# Allegro board OPT8241-CDK-EVM SB REV2P0V1.brd (continued)
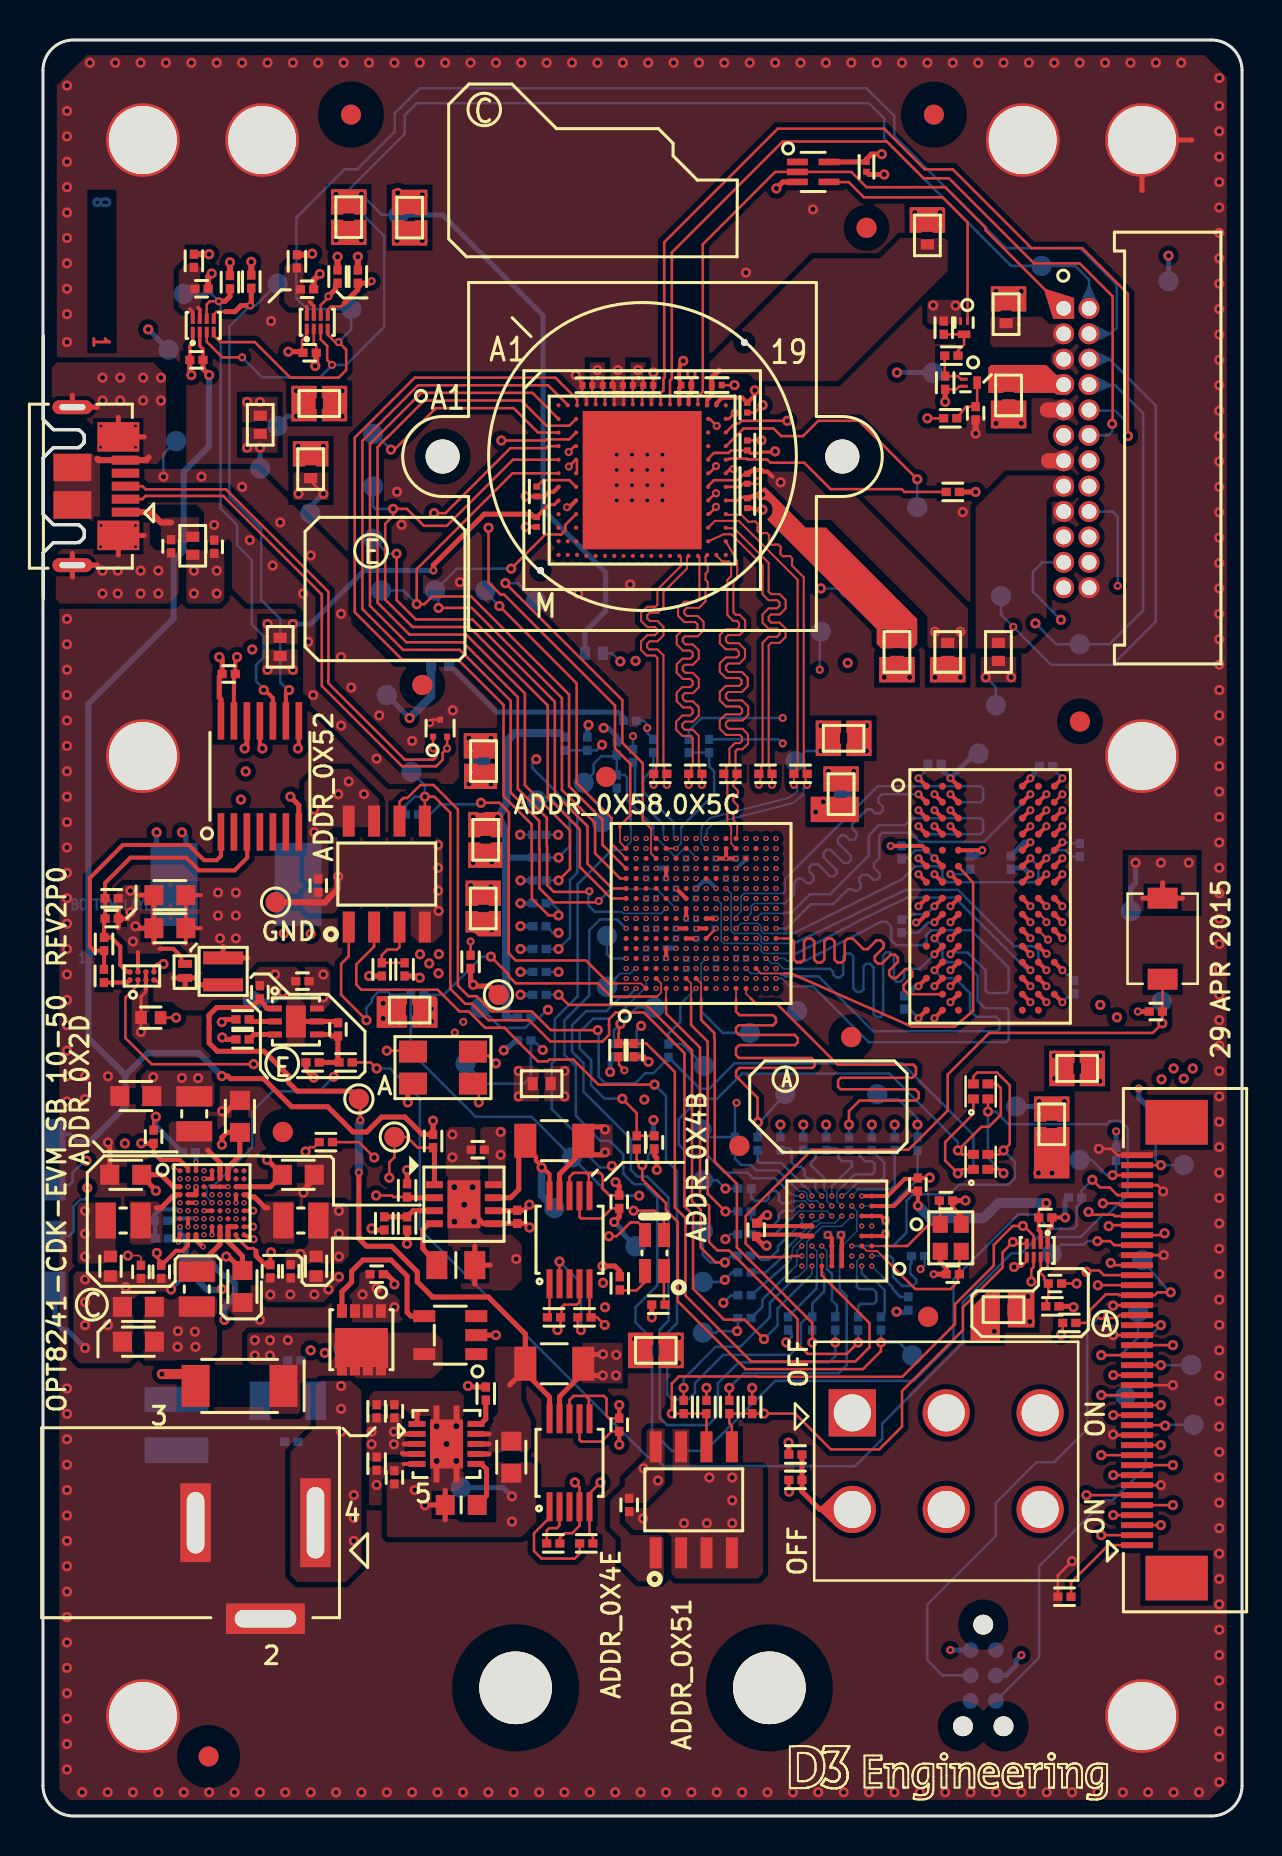
[diagram p0: board, top side]
## Routing (per net, layer and track width the routed paths; a pad name or vN(x,y) marks a point on that pad's centre or on a via; arc(x,y) is an arc through that point) (continued)
  SIG1 w0.082: 38.5,26.96 38.22,27.23 38.22,27.75 v3(37.97,28)
  SIG1 w0.114: 38.5,26.96 41.35,24.1 41.35,23.44 40.38,22.47 39.59,22.47 35.04,17.93 34.7,17.93 33.93,17.16 33.93,16.7 32.69,15.46 26.3,15.46 23.78,17.98 23.78,21.02 18.79,26.02 18.79,32.54 18.39,32.93 v1(16.58,32.93)
  BOTTOM w0.127: v1(56.01,39.64) 55.98,39.66 TP14.1
TFC_DQ_OUT_0: length 65.3
  TOP w0.127: J2.2 v1(52.95,14.05)
  SIG1 w0.114: v1(52.95,14.05) 52.95,16.17 52.39,16.74 52.39,19.68 53.82,21.11 53.94,21.11 54.53,21.7 54.53,25.08 54.77,25.31 54.77,30.24 54.46,30.55 54.46,33.29 54.07,33.67 53.44,33.67 52.68,34.43 47.28,34.43 47.05,34.66 45.96,35.75 45.17,35.75 45.04,35.62 45.04,35.48 44.9,35.35 44.71,35.35 44.58,35.48 44.58,35.62 44.45,35.75 44.26,35.75 44.12,35.62 44.12,35.48 43.99,35.35 43.8,35.35 43.67,35.48 43.67,35.62 43.53,35.75 43.24,35.75 43.1,35.62 43.1,35.36 42.97,35.22 42.78,35.22 42.64,35.36 42.64,35.62 42.51,35.75 42.24,35.75 42.04,35.55 42.04,34.08 42.15,33.96 42.5,33.96 42.62,34.08 v1(42.62,34.57)
  SIG2 w0.082: v3(36.18,41.38) 36.18,41.15 36.44,40.89
  SIG2 w0.114: 36.44,40.89 36.44,40.36 38.37,38.43 42.41,38.43 42.53,38.31 42.53,35.77 42.7,35.6 42.86,35.6 42.97,35.72 42.97,38.01 43.09,38.12 43.25,38.12 43.36,38.01 43.36,35.78 43.56,35.58 43.75,35.58 43.86,35.7 43.86,37.98 44.01,38.13 44.17,38.13 44.31,37.99 44.31,35.26 44.18,35.14 43.18,35.14 v1(42.62,34.57)
  BOTTOM w0.127: R74.1 v1(42.62,34.57)
TFC_DQ_OUT_1: length 64.6
  TOP w0.127: J2.3 v1(55.94,14.55)
  SIG1 w0.082: v3(35.68,41.38) 35.68,41.08 35.87,40.89
  SIG1 w0.114: 35.87,40.89 36.15,40.61 38.67,40.61 39.24,40.05 39.24,39.15 36.46,36.37 34.63,36.37 34.19,35.93 34.19,32.92 34.72,32.39 34.72,31.14 34.39,30.81 33.93,30.81 33.59,30.47 33.59,30 33.92,29.66 34.38,29.66 34.72,29.32 34.72,28.6 34.51,28.39 34.49,28.39 34.38,28.28 33.92,28.28 33.55,27.9 33.55,26.16 v1(34.05,25.66)
  SIG2 w0.114: v1(34.05,25.66) 33.89,25.66 33.78,25.55 33.78,22.86 34.25,22.39 35.55,22.39 40.57,17.36 41.57,17.36 42.57,16.36 42.57,11.51 42.99,11.09 55.21,11.09 55.94,11.82 55.94,12.06 55.81,12.19 55.39,12.19 55.25,12.33 55.25,12.52 55.39,12.65 55.81,12.65 55.94,12.79 55.94,12.97 55.81,13.11 55.39,13.11 55.25,13.24 55.25,13.43 55.39,13.57 55.81,13.57 55.94,13.7 v1(55.94,14.55)
  BOTTOM w0.127: v1(34.05,25.66) 34.06,25.66 34.44,26.04 R83.1
TFC_DQ_OUT_2: length 64.9
  TOP w0.127: J2.4 v1(53.56,15.05)
  SIG1 w0.114: v1(53.56,15.05) 53.91,14.7 53.91,13.92 53.46,13.48 52.46,13.48 51.65,14.28 51.65,24.61 54.03,26.99 54.03,29.72 53.68,30.08 53.68,30.89 53.34,31.23 52.3,31.23 50.81,32.72 47.7,32.72 46.15,34.26 44.35,34.26 43.42,33.33 40.5,33.33 40.41,33.43 40.41,33.85 40.5,33.94 41.36,33.94 41.48,34.06 v1(41.48,34.57)
  SIG2 w0.082: v3(35.68,41.88) 35.93,41.63 35.93,40.99 36,40.91 36,40.89
  SIG2 w0.114: v1(41.48,34.57) 41.96,35.06 41.96,35.49 41.82,35.62 41.7,35.62 41.57,35.75 41.57,35.94 41.7,36.08 41.82,36.08 41.96,36.21 41.96,36.4 41.82,36.54 41.7,36.54 41.57,36.67 41.57,36.86 41.7,36.99 41.82,36.99 41.96,37.13 41.96,37.87 41.84,37.98 41.17,37.98 41.06,37.87 41.06,35.39 40.94,35.27 40.77,35.27 40.6,35.45 40.6,37.75 40.42,37.93 40.26,37.93 40.14,37.81 40.14,35.39 40.03,35.27 39.86,35.27 39.68,35.45 39.68,37.75 39.45,37.98 39.26,37.98 39.12,37.85 39.12,37.52 38.97,37.37 38.79,37.37 38.67,37.49 38.67,37.85 38.53,37.98 38.14,37.98 36,40.12 36,40.89
  BOTTOM w0.127: R73.1 v1(41.48,34.57)
TFC_DQ_OUT_3: length 65
  TOP w0.082: 35.41,40.89 35.18,41.12 U8.N1
  TOP w0.127: 35.41,40.89 35.7,40.6 36.73,40.6 39.77,37.57 43.56,37.57 43.68,37.44 43.68,37.1 43.5,36.91 39.91,36.91 39.79,36.79 39.79,36.47 39.91,36.34 43.65,36.34 43.82,36.17 43.82,35.9 43.7,35.78 40.86,35.78 40.33,35.25 v1(40.33,34.57) ; J2.5 v1(56.54,15.55)
  SIG1 w0.114: v1(56.54,15.55) 54.24,15.55 52.99,16.79 52.99,17.28 53.32,17.61 54.32,17.61 54.54,17.83 54.54,21.11 54.97,21.54 54.97,24.99 55.14,25.16 55.14,30.58 54.82,30.89 54.82,33.87 53.89,34.8 48.54,34.8 47.22,36.12 42.02,36.12 v1(40.33,34.57)
  BOTTOM w0.127: R72.1 v1(40.33,34.57)
TFC_DQ_OUT_4: length 65.1
  TOP w0.127: J2.8 v1(53.56,17.05)
  SIG1 w0.114: v1(39.19,34.57) 39.19,33.37 39.3,33.25 39.65,33.25 39.77,33.37 39.77,35.15 41.1,36.49 47.65,36.49 48.97,35.17 54.05,35.17 55.34,33.88 55.34,31.11 55.52,30.93 55.52,29.28 55.52,29.28 55.52,27.81 55.52,27.81 55.52,25.02 55.34,24.84 55.34,21.26 54.91,20.83 54.91,17.35 54.61,17.05 v1(53.56,17.05)
  SIG2 w0.082: 34.98,40.89 34.98,41.06 34.93,41.12 34.93,41.63 34.94,41.64 v3(35.18,41.88)
  SIG2 w0.114: v1(39.19,34.57) 39.19,35.18 39.06,35.32 38.68,35.32 38.53,35.46 38.53,35.65 38.65,35.78 39.06,35.78 39.19,35.91 39.19,36.25 38.5,36.94 38.2,36.94 36.99,35.73 36.82,35.73 36.71,35.85 36.71,36.01 37.99,37.29 37.99,37.46 37.85,37.59 37.66,37.59 36.37,36.3 36.21,36.3 36.05,36.46 36.05,36.63 37.34,37.91 37.34,38.1 37.21,38.24 36.94,38.24 35.72,37.02 35.55,37.02 35.44,37.13 35.44,37.29 36.69,38.54 36.69,38.75 36.56,38.88 36.4,38.88 35.73,38.21 35.57,38.21 35.45,38.32 35.45,38.51 36.05,39.1 36.05,39.4 35.91,39.53 35.72,39.53 35.6,39.41 35.41,39.41 35.28,39.54 35.28,39.73 35.4,39.85 35.4,40.04 34.98,40.46 34.98,40.89
  BOTTOM w0.127: R71.1 v1(39.19,34.57)
TFC_DQ_OUT_5: length 65.1
  TOP w0.127: J2.9 v1(56.54,17.55)
  SIG1 w0.114: v1(38.05,34.57) 40.33,36.85 49.65,36.85 50.18,36.32 51.85,36.32 52.44,35.73 54.01,35.73 57.11,32.62 57.11,22.91 55.98,21.78 55.98,21.38 55.28,20.68 55.28,18.27 56,17.55 v1(56.54,17.55)
  SIG2 w0.082: v3(34.18,41.38) 34.18,40.95 34.12,40.89
  SIG2 w0.114: 34.12,40.89 34.12,40.72 33.22,39.81 33.22,36.24 33.71,35.74 34.05,35.74 34.49,36.18 34.92,36.18 35.22,35.88 35.22,35.45 34.83,35.06 34.83,34.19 35.9,33.11 42.76,33.11 42.87,33.23 42.87,33.49 42.76,33.6 38.56,33.6 38.05,34.12 v1(38.05,34.57)
  BOTTOM w0.127: R70.1 v1(38.05,34.57)
TFC_DQ_OUT_6: length 64.6
  TOP w0.127: J2.10 v1(52.95,18.05)
  SIG1 w0.082: 34.43,40.89 34.43,41.55 34.18,41.8 v3(34.18,41.88)
  SIG1 w0.114: v1(34.15,28.85) 34.15,28.92 33.43,29.63 33.22,29.84 33.22,36.99 33.96,37.74 35.86,37.74 35.99,37.87 35.99,38.1 35.87,38.21 33.7,38.21 33.53,38.38 33.53,38.59 33.68,38.74 36.06,38.74 36.18,38.85 36.18,39.05 36.06,39.17 34.39,39.17 34.28,39.28 34.28,39.47 34.44,39.63 35.25,39.63 35.37,39.74 35.37,40 35.25,40.11 34.58,40.11 34.45,40.24 34.45,40.76 34.43,40.78 34.43,40.89
  SIG2 w0.114: v1(34.15,28.85) 33.67,28.85 33.56,28.73 33.56,27.92 33.56,27.92 33.56,27.05 33.55,27.05 33.55,26.58 33.56,26.57 33.56,26.34 33.67,26.23 34.28,26.23 34.76,25.74 34.76,25.34 34.61,25.18 34.61,25.18 34.15,24.72 34.15,23.08 34.3,22.93 35.53,22.93 40.73,17.73 41.81,17.73 42.94,16.61 42.94,12.39 43.71,11.61 49.39,11.61 52.95,15.18 52.95,16.88 52.82,17.02 52.8,17.02 52.68,17.13 52.68,17.36 52.8,17.47 52.82,17.47 52.95,17.61 v1(52.95,18.05)
  BOTTOM w0.127: R79.1 34.39,29.09 v1(34.15,28.85)
TFC_DQ_OUT_7: length 64.8
  TOP w0.127: J2.11 v1(55.94,18.55)
  SIG1 w0.114: v1(36.9,34.57) 39.78,37.45 52.99,37.45 57.48,32.96 57.48,19.98 56.05,18.55 v1(55.94,18.55)
  SIG2 w0.082: v3(34.18,42.88) 34.43,42.63 34.43,41.1 34.49,41.04 34.49,40.89
  SIG2 w0.114: 34.49,40.89 34.49,40.56 34.27,40.35 34.27,40.16 34.49,39.94 34.49,39.78 34.36,39.65 34.13,39.65 33.95,39.83 33.76,39.83 33.59,39.66 33.59,39.41 33.72,39.27 34.72,39.27 34.84,39.16 34.84,38.93 34.72,38.82 33.72,38.82 33.59,38.68 33.59,38.44 33.72,38.31 34.79,38.31 34.9,38.19 34.9,37.96 34.79,37.85 33.72,37.85 33.59,37.71 33.59,37.44 33.7,37.33 34.51,37.33 34.65,37.18 34.65,36.99 34.53,36.87 33.7,36.87 33.59,36.76 33.59,36.41 33.83,36.17 33.96,36.17 34.34,36.55 35.14,36.55 35.59,36.1 35.59,35.3 35.19,34.91 35.19,34.34 35.53,34.01 35.53,34.01 36.05,33.48 37.67,33.48 37.76,33.57 37.76,33.79 37.65,33.9 36.47,33.9 36.35,34.02 36.35,34.46 36.47,34.57 v1(36.9,34.57)
  BOTTOM w0.127: R69.1 v1(36.9,34.57)
TFC_RESETZ_SW: length 12.5
  TOP w0.127: C28.1 R22.2 29.71,35.15 v1(28.99,35.87)
  BOTTOM w0.082: 29.27,40.55 30.18,41.47 v3(30.18,41.88)
  BOTTOM w0.127: v1(28.99,35.87) 28.11,35.87 27.43,36.55 27.43,37.81 26.86,38.38 26.86,39.21 27.52,39.87 28.35,39.87 28.66,40.18 28.89,40.18 29.27,40.55
TIC_C: length 16.6
  SIG1 w0.082: 28.71,42.45 28.89,42.63 29.28,42.63 29.43,42.49 29.43,42.28 29.58,42.13 32.43,42.13 v3(32.68,42.38)
  SIG1 w0.114: 28.71,42.45 25.01,38.74 v1(25.01,38.31)
  BOTTOM w0.127: v1(25.01,38.31) 24.53,38.78 R62.1 24.41,36.97 24.06,36.62 22.16,36.62 TP17.1
TIC_CONFIGZ: length 5.9
  BOTTOM w0.082: v3(38.97,30.5) 38.72,30.75 38.37,30.75 38.22,30.9 38.22,31.11 38.08,31.25 37.83,31.25 37.6,31.48 37.58,31.48
  BOTTOM w0.127: 37.58,31.48 36.78,32.28 35.69,32.28 35.41,32.56 34.94,32.56 34.63,32.87 R67.1
TIC_DCLK: length 53.8
  TOP w0.127: RN2.1 45.98,32.34 v1(45.78,32.14) 45.14,32.77 45.14,33.7 46.56,35.11 RN1.1 ; v1(27.76,39.3) 25.4,39.3 24.46,40.24 22.45,40.24 21.69,41 21.29,41 20.76,41.52 20.76,50.33 19.54,51.55 18.88,51.55 18.23,50.91 18.03,50.91 17.84,50.72 U6.6
  BOTTOM w0.127: v1(45.78,32.14) 46.16,32.14 46.55,32.53 46.55,34.07 42.99,37.64 34.6,37.64 33.33,36.37 32.88,36.37 R63.1 31.3,37.91 30.54,37.14 30.13,37.14 29.62,36.63 28.14,36.63 27.81,36.97 27.81,39.25 v1(27.76,39.3)
TIC_I: length 13.2
  SIG1 w0.082: 28.71,42.83 29.01,43.13 29.28,43.13 29.78,42.63 32.43,42.63 v3(32.68,42.88)
  SIG1 w0.114: 28.71,42.83 28.38,42.83 25.85,40.3 25.28,40.3 v1(25.27,40.31)
  BOTTOM w0.127: v1(25.27,40.31) 25.26,40.3 25.21,40.3 24.83,39.92 R61.1 24.41,39.7 24.13,39.41 24.11,39.41 24.11,39.41 23.45,39.41 23.44,39.4 23.01,39.4 23,39.41 22.92,39.41 TP13.1
TIC_MISO: length 49.8
  TOP w0.127: v1(30.6,36.57) 30.47,36.57 30.47,36.57 27.79,36.57 26.54,37.83 25.34,37.83 25.24,37.73 24.77,37.73 23.09,39.41 22.13,39.41 21.31,40.23 20.84,40.23 19.75,41.32 15.93,41.32 15.68,41.57 15.68,42.59 16.57,43.48 U6.2
  BOTTOM w0.082: 39.1,26.96 39.1,27.11 38.97,27.24 38.97,28 v3(38.97,28)
  BOTTOM w0.127: v1(30.6,36.57) 31.17,36 31.17,32.81 31.72,32.26 31.72,24.64 31.24,24.16 31.24,21.06 31.46,20.84 32.29,20.84 32.63,21.17 32.63,21.65 34.05,23.06 37.38,23.06 37.92,23.61 37.92,24.62 38.27,24.96 R86.1 38.5,25.64 39.1,26.24 39.1,26.96
TIC_O: length 5.6
  BOTTOM w0.082: 32.93,40.89 32.93,42.63 v3(33.18,42.88)
  BOTTOM w0.127: TP16.1 34.01,39.16 32.93,40.24 32.93,40.89
TIC_S: length 14.5
  SIG1 w0.082: v3(33.18,43.38) 32.93,43.63 32.58,43.63 31.93,44.28 31.93,44.78 31.43,45.28 31.43,45.49 30.42,46.5 29.55,46.5 28.71,47.34
  SIG1 w0.114: v1(25.8,47.93) 26.39,47.34 28.71,47.34
  BOTTOM w0.127: TP10.1 25.52,50.78 26.36,49.95 26.36,48.5 25.8,47.94 v1(25.8,47.93) R53.1
TIC_STATUSZ: length 3.9
  BOTTOM w0.082: v3(37.97,30) 37.97,29.68 37.44,29.15
  BOTTOM w0.127: 37.44,29.15 36.78,28.49 36.78,28.28 36.45,27.95 36.44,27.95 36.36,27.87 36.29,27.81 35.95,27.81 35.73,28.03 R80.1
USB_NEGOTIATION_PASS: length 90.4
  TOP w0.127: v1(48.06,32.14) 47.87,32.34 RN2.2 ; v1(10.54,37.6) 5.43,37.6 4.12,38.91 4.12,40.94 4.75,41.57 U9.B1 ; v1(16.7,37.38) 16.39,37.68 R18.1 ; v1(47.28,35.22) RN1.2
  SIG2 w0.114: v1(16.7,37.38) 16.44,37.64 10.58,37.64 v1(10.54,37.6)
  BOTTOM w0.127: v1(16.7,37.38) 17.37,37.38 18.83,35.92 18.83,35.89 18.86,35.86 18.86,29.36 30.26,17.95 30.6,17.95 31.05,17.5 40.65,17.5 42,18.85 42,19.63 46.03,23.66 46.03,25.7 48.47,28.13 48.95,28.13 49.78,28.95 51.92,28.95 53.03,30.07 53.27,30.07 54.27,31.06 54.27,34.4 53.92,34.76 53.41,34.76 53.24,34.6 48.31,34.6 47.68,35.22 v1(47.28,35.22) 47.28,32.92 v1(48.06,32.14)
VD_FR: length 32.6
  TOP w0.127: U3.F1 23.49,67.14 18.7,62.35 v1(18.7,60.6) 19.09,60.6 19.47,60.98 21.43,60.98 26.32,56.08 26.32,51.49 28,49.82 28,48.56 U8.A13
  BOTTOM w0.127: TP4.1 18.02,61.28 v1(18.7,60.6)
VD_QD: length 38.8
  TOP w0.127: U8.A10 28.44,45.88 26.86,47.46 26.86,49.34 25.26,50.94 25.26,55.53 21.33,59.46 18.5,59.46 17.12,60.83 17.12,64.61 17.52,65.01 v1(17.52,65.36) 18.21,65.36 19.06,64.52 20.21,64.52 23.52,67.82 U3.E1
  BOTTOM w0.127: TP2.1 16.52,65.49 16.64,65.36 v1(17.52,65.36)
VD_UF: length 28.3
  TOP w0.127: U3.J3 26.14,64.56 26.14,64.28 25.94,64.08 25.14,64.08 v1(23.43,62.37) ; U8.A12 28.89,46.88 27.63,48.14 27.63,49.65 25.97,51.31 25.97,55.9 21.46,60.41 v1(19.79,60.41)
  BOTTOM w0.127: v1(19.79,60.41) 19.79,61.11 TP5.1 20.71,62.37 v1(23.43,62.37)
WA: length 14.7
  TOP w0.203: U9.A2 4.22,42.21 3.87,42.56 3.87,43.48 3.41,43.93 R91.2 3.06,44.77 C18.2 R10.2 3.11,46.65 4.38,47.92 7.17,47.92 7.81,47.29 9.58,47.29 10.22,47.92 10.22,49.19 U21.3
XTALIN: length 5.1
  TOP w0.082: 42.07,28.5 U13.1C
  TOP w0.127: 42.07,28.5 43.25,28.5 44.34,29.59 Y1.1 44.9,30.22 44.85,30.27 C33.2
XTALOUT: length 7.4
  TOP w0.082: 42.07,27.92 41.74,28.25 41.22,28.25 U13.2C
  TOP w0.127: Y1.3 45.86,28.14 C44.2 45.78,27.02 45.78,26.71 45.42,26.35 43.65,26.35 42.07,27.92
N00592: length 2.5
  TOP w0.305: 6.41,64.69 5.9,64.69 5.39,65.2 U4.1
N00796:
  vias: v1(14.92,21.51) v1(14.92,20.36) v1(14.92,19.22) v1(15.55,16.05) v1(15.55,14.9) v1(15.55,13.76)
N22278: length 4.8
  TOP w0.127: J2.1 53.31,13.55 51.44,11.68 R46.1
N40720: length 3.5
  TOP w0.127: 49.92,27.34 U15.7 ; 49.92,27.34 50.14,27.34 50.27,27.48 U15.8 ; 49.92,27.34 49.92,27.14 50.1,26.97 50.1,26.84 C45.1 50.31,25.91 50.22,25.82 50.22,25.53 R29.2
N41327: length 8.3
  TOP w0.254: U19.4 18.41,25 18.22,25.19 18.22,27 17.42,27.8 16.01,27.8 15.44,27.24 15.44,26.69 14.96,26.21 U20.4
N16777535: length 1.7
  TOP w0.254: 8.25,33.29 8.86,32.68 U11.A6 U11.B6
N16777636: length 1.5
  TOP w0.254: U11.D9 10.23,31.07 10.33,30.96 10.58,30.96 11.13,30.41 11.25,30.41
N16778473: length 1.6
  TOP w0.254: U11.H6 U11.J6 8.86,28.59 8.31,28.05
N16783943: length 10.8
  SIG1 w0.082: v3(32.68,46.88) v3(32.68,47.38) 32.43,47.63 32.08,47.63 30.82,48.89 30.82,49.38
  SIG1 w0.114: v1(27.98,53.57) 27.98,52.44 30.82,49.6 30.82,49.38
  BOTTOM w0.127: R47.1 R48.2 27.69,53.29 v1(27.98,53.57)
N16785309: length 22.3
  TOP w0.203: U7.K9 v2(51.01,43.89)
  SIG2 w0.114: v2(51.01,43.89) 51.4,44.29 51.4,45.66 50.41,46.65 50.03,46.65 49.8,46.88 49.8,50.13 49.8,50.46 49.57,50.69 45.25,50.69 39.95,50.69 38.9,49.64 38.74,49.64 37.48,48.38 v3(36.68,48.38)
N16785377: length 20.5
  TOP w0.102: v2(50.29,43.83) 50.29,43.83 50.2,43.92 50.18,43.92 50.12,43.99 50.12,43.99 U7.K8
  SIG2 w0.082: 37.14,47.71 37.13,47.71 37.12,47.72 37.03,47.72 36.94,47.63 35.93,47.63 v3(35.68,47.88)
  SIG2 w0.102: v2(50.29,43.83) 50.29,44.07 49.82,44.54 49.82,45.63 49.53,45.92 49.11,45.92 48.6,46.44 48.6,47.76 47.55,48.81 45.82,48.81 45.46,48.45 43.48,48.45 42.23,49.7 39.93,49.7 37.94,47.71 37.14,47.71
N16785379: length 20.4
  TOP w0.102: U7.J8 49.87,45.09 50.21,44.76 v2(50.21,44.69)
  SIG2 w0.082: 37.14,48.02 37.03,48.13 36.41,48.13 36.18,47.9 v3(36.18,47.88)
  SIG2 w0.102: v2(50.21,44.69) 50.6,45.08 50.6,45.65 50.37,45.88 50,45.88 49.65,46.23 49.24,46.23 48.9,46.57 48.9,47.89 47.68,49.11 45.69,49.11 45.34,48.75 43.61,48.75 42.35,50.01 41.56,50.01 41.48,50.08 41.48,50.08 41.41,50.16 41.1,50.16 41.03,50.08 41.03,50.08 40.95,50.01 40.65,50.01 40.57,50.08 40.57,50.08 40.5,50.16 40.19,50.16 40.11,50.08 40.11,50.08 40.04,50.01 39.81,50.01 39,49.2 38.82,49.2 38.61,48.98 38.61,48.81 38.39,48.59 38.22,48.59 38.01,48.38 38.01,48.21 37.82,48.02 37.14,48.02
N16785381: length 21.3
  TOP w0.203: U7.K2 v2(44.61,43.89)
  BOTTOM w0.082: 37.39,41.49 37.38,41.49 36.98,41.88 v3(36.68,41.88)
  BOTTOM w0.127: 37.39,41.49 38.53,41.49 41.32,38.69 48.2,38.69 48.32,38.82 48.32,40.3 48.22,40.4 47.13,40.4 46.77,40.76 46.77,42.01 46.09,42.7 45.24,42.7 45.01,42.93 45.01,43.5 v2(44.61,43.89)
N16785447: length 20.5
  TOP w0.203: U7.K3 v2(45.41,43.89)
  SIG2 w0.082: 37.04,45.66 36.99,45.7 36.95,45.7 36.77,45.88 v3(36.68,45.88)
  SIG2 w0.114: v2(45.41,43.89) 45.69,43.89 46.25,43.33 46.25,42.85 46.99,42.11 46.99,40.93 47.23,40.69 47.61,40.69 47.73,40.8 47.73,42.29 45.73,44.29 44.45,44.29 44.16,44 43.45,44 40.87,46.58 40.57,46.58 39.36,45.37 37.33,45.37 37.04,45.66
N16785449: length 19.6
  TOP w0.203: v2(49.41,43.09) 49.39,43.11 49.39,43.12 U7.L7
  SIG2 w0.082: v3(36.68,46.38) 37.1,46.38 37.24,46.25 37.6,46.25 37.69,46.15
  SIG2 w0.114: 37.69,46.15 37.71,46.14 38.9,46.14 40.24,47.48 41.15,47.48 42.68,45.95 45.78,45.95 45.89,45.84 45.89,45.4 46.07,45.23 46.26,45.23 46.69,45.66 46.92,45.66 47.05,45.54 47.05,45.38 46.58,44.91 46.58,44.72 46.71,44.58 46.9,44.58 47.3,44.98 47.5,44.98 47.63,44.85 47.63,44.67 47.23,44.26 47.23,44.07 47.36,43.94 47.55,43.94 47.58,43.97 47.77,43.97 47.91,43.84 47.91,43.65 47.87,43.61 47.87,43.42 48.66,42.64 48.98,42.64 49.39,43.05 49.39,43.07 v2(49.41,43.09)
N16785451: length 20.3
  TOP w0.203: U7.K7 v2(49.41,43.89)
  SIG2 w0.082: v3(36.68,46.88) 36.94,46.88 37.03,46.98 37.09,46.98
  SIG2 w0.114: 37.09,46.98 37.11,46.98 37.12,46.98 38.44,46.98 39.71,48.25 40.17,48.25 40.3,48.39 40.3,48.7 40.44,48.83 40.63,48.83 40.76,48.7 40.76,48.39 40.89,48.25 41.42,48.25 42.05,47.62 42.73,47.62 42.94,47.41 42.94,47.22 42.8,47.08 42.8,46.9 42.94,46.77 43.14,46.77 43.27,46.89 43.46,46.89 43.65,46.7 45.81,46.7 45.94,46.83 45.94,47.4 46.07,47.53 46.31,47.53 46.45,47.4 46.45,47 46.58,46.87 46.77,46.87 46.91,47 46.91,47.4 47.04,47.53 47.42,47.53 47.72,47.23 47.72,46.28 48.09,45.92 48.52,45.48 48.52,44.41 49.04,43.89 v2(49.41,43.89)
N16787457: length 20.6
  TOP w0.203: U7.L8 50.18,43.12 v2(50.22,43.12)
  SIG2 w0.082: 37.39,47.35 37.11,47.35 36.89,47.13 36.43,47.13 v3(36.18,47.38)
  SIG2 w0.114: 37.39,47.35 38.09,47.35 38.11,47.37 38.18,47.37 40.02,49.2 41.79,49.2 41.91,49.09 41.91,48.3 42.21,48 43.14,48 43.64,47.49 45.06,47.49 45.47,47.9 47.95,47.9 48.23,47.61 48.23,46.29 48.97,45.56 48.97,44.5 49.18,44.29 49.57,44.29 49.8,44.05 49.8,43.77 49.81,43.77 49.81,43.76 50.21,43.36 50.21,43.14 v2(50.22,43.12)
N16793109: length 14.4
  TOP w0.127: v1(17.2,38.27) 18.47,38.27 D2.1
  SIG1 w0.081: 9.19,32.62 9.19,32.35 8.42,31.59 7.94,31.59 v3(7.66,31.87)
  SIG1 w0.114: v1(17.2,38.27) 16.56,38.27 15.85,37.55 13.38,37.55 12.98,37.15 12.98,37.05 12.98,37.05 12.98,36.8 9.19,33.01 9.19,32.62
N16793127: length 20.7
  TOP w0.127: v1(21.81,35.69) 21.81,36.33 D2.3
  SIG1 w0.081: v3(7.26,31.87) 7.22,31.9 7.22,32.62
  SIG1 w0.114: v1(21.81,35.69) 20.68,35.69 17.53,38.84 16.46,38.84 15.6,37.97 13.24,37.97 9.43,34.16 8.13,34.16 7.22,33.26 7.22,32.62
N16793135: length 22
  TOP w0.127: D2.4 21.72,38.02 22.28,38.02 v1(22.67,37.64)
  SIG1 w0.076: 6.77,32.83 6.86,32.74 6.86,32.26 6.85,32.26
  SIG1 w0.081: v3(6.86,31.87) 6.85,31.87 6.85,32.26
  SIG1 w0.114: 6.77,32.83 6.77,33.53 7.9,34.67 9.2,34.67 9.84,35.31 9.86,35.36 13.01,38.51 15.54,38.51 16.25,39.22 16.77,39.22 16.79,39.21 18.43,39.21 20,37.64 v1(22.67,37.64)
N16794163: length 4.9
  BOTTOM w0.082: v3(41.47,28) 42.07,28
  BOTTOM w0.127: 42.07,28 42.38,28 42.54,27.84 42.54,26.95 42.99,26.5 43.54,26.5 43.7,26.66 43.7,26.83 43.39,27.13 43.39,27.56 43.46,27.63 R81.1
N16794179: length 4.2
  BOTTOM w0.082: 38.72,26.96 38.72,27.08 38.72,27.09 38.72,28.25 v3(38.47,28.5)
  BOTTOM w0.127: 38.72,26.96 38.72,26.4 R85.1
N16794242: length 4.7
  BOTTOM w0.082: v3(40.97,28) 40.72,27.75 40.72,26.96
  BOTTOM w0.127: 40.72,26.96 40.72,26.48 40.85,26.35 41.53,26.35 41.7,26.18 41.7,25.74 41.57,25.61 40.92,25.61 40.79,25.48 R88.1
N16795038: length 6
  TOP w0.076: C42.1 4.9,27.94 4.81,28.02 v1(4.25,28.02)
  SIG1 w0.114: v1(4.25,28.02) 4.92,27.35 6.11,27.35 7.66,28.89 v3(7.66,29.47)
N16845074: length 11.7
  TOP w0.127: U3.E19 34.28,67.82 34.32,67.87 34.43,67.87 34.44,67.88 35.22,67.88 35.26,67.84 36.23,67.84 36.4,67.67 38.1,67.67 39.42,66.35 42.97,66.35 43.11,66.21 R4.1
N16845109: length 12.5
  TOP w0.127: v2(33.71,69.51) 33.36,69.86 U3.B17 ; R90.2 v1(44.26,69.89)
  SIG2 w0.114: v2(33.71,69.51) 34.84,69.51 35.31,69.99 36.6,69.99 37.02,70.4 43.75,70.4 v1(44.26,69.89)
N16845129: length 2.2
  TOP w0.127: U3.G3 26.34,66.8 25.03,66.8 C11.1
N16845389: length 2
  TOP w0.127: R2.1 45.13,72.02 R3.2 45.78,72 45.94,71.85 U2.1
N16845433: length 2.2
  TOP w0.127: R1.2 U1.3 46.09,73.58 45.79,73.27 R2.2
N16870319: length 1.5
  TOP w0.254: U11.D1 6.69,31.07 6.61,30.98 6.49,30.98 5.92,30.41 5.66,30.41
N16878227: length 15.5
  TOP w0.127: R37.2 v1(34.34,21.41)
  BOTTOM w0.082: 39.86,26.96 39.86,28.37 40.72,29.24 40.72,30.25 v3(40.47,30.5)
  BOTTOM w0.127: v1(34.34,21.41) 35.08,22.14 39.81,22.14 40.22,22.55 40.22,26 39.86,26.36 39.86,26.96
N16878230: length 14.1
  TOP w0.127: R35.2 v1(32.06,21.41)
  BOTTOM w0.082: 37.66,26.96 37.78,26.96 38.22,27.4 38.22,28.71 39,29.49 39.96,29.49 v3(40.47,30)
  BOTTOM w0.127: 37.66,26.96 36.38,25.67 36.38,24.95 35.85,24.42 35.84,24.42 35.51,24.09 35.51,24.08 34.9,23.47 33.68,23.47 32.06,21.85 v1(32.06,21.41)
N16888310: length 3.3
  BOTTOM w0.127: v3(40.97,27.5) 40.97,27.14 41.38,26.73 41.68,26.73 42.12,26.3 42.12,25.15 R89.1
N16896816: length 3.2
  TOP w0.152: U9.D1 5.64,41.81 5.84,41.6
  TOP w0.254: L1.1 7.8,41.56 ; 7.11,41.47 D1.K ; D1.K 7.7,41.91 ; D1.K 6.52,41.91
N16897102: length 1.4
  TOP w0.203: R11.1 4.22,41.68 U9.A1
N16901644: length 2.5
  BOTTOM w0.082: v3(41.47,27.5) 42.02,26.96
  BOTTOM w0.127: R107.1 42.9,25.96 42.65,26.22 42.65,26.24 42.5,26.39 42.5,26.46 42.16,26.79 42.16,26.82 42.02,26.96
N16913824: length 2.7
  TOP w0.254: R26.2 19.01,28.39 19.01,28.39 19.01,29.32 19.3,29.62 U12.4
N16913873: length 1.5
  TOP w0.254: R34.1 22.16,19.86 21.91,19.6 U16.10
N16913909: length 2.6
  TOP w0.254: U16.6 21.93,17.6 22.2,17.33 22.2,16.03 R43.2
N16921390: length 2.6
  TOP w0.254: U12.3 18.53,30.27 R25.1 R24.1
N16928983: length 1.3
  TOP w0.254: R14.2 10.42,39.73 U10.2
N16929072: length 1.4
  TOP w0.254: U10.3 10.57,39.08 R15.2
N16935702: length 5.6
  TOP w0.127: R45.1 26.86,13.12 26.6,12.87 24.95,12.87 24.57,13.25 24.57,14.14 25.35,14.92 U17.1
N16935705: length 2.3
  TOP w0.127: R44.1 25.21,14.27 25.33,14.39 25.71,14.39 25.84,14.52 25.84,15.45 U17.2
N16935741: length 1.7
  TOP w0.127: U14.1 25.35,25.04 R30.1
N16935743: length 5.7
  TOP w0.127: R31.1 26.77,24.5 26.92,24.34 v1(26.92,24.3) ; U14.2 v1(25.85,27.72)
  BOTTOM w0.127: v1(25.85,27.72) 26.92,26.65 v1(26.92,24.3)
N16940304: length 4.7
  TOP w0.254: R40.2 R42.2 37.98,16.22 38.87,15.33 SW2.4
N16949841: length 1.2
  TOP w0.178: 13.34,75.71 13.55,75.5 U23.7 ; 13.2,75.47 U23.8
N16953566: length 1.1
  TOP w0.178: U22.8 7.5,75.21 7.35,75.35 ; U22.7 7.85,75.34 7.76,75.43
N16974592: length 48.9
  TOP w0.127: v1(25.8,45.03) 25.3,45.03 24.46,45.87 24.46,48.16 24.45,48.18 24.45,49.59 23.75,50.3 23.75,50.3 23.05,51 23.05,55.55 20.77,57.83 17.97,57.83 15.6,60.2 15.6,68.92 18.6,71.93 25.64,71.93 26.73,70.84 U3.A3
  SIG1 w0.082: v3(30.18,45.38) 29.93,45.63 28.71,45.63
  SIG1 w0.114: v1(25.8,45.03) 26.3,45.24 28.03,45.24 28.42,45.63 28.71,45.63
  BOTTOM w0.127: v1(25.8,45.03) 25.8,45.3 25.46,45.64 R55.1
N16974595: length 45.4
  TOP w0.127: U3.B3 26.34,69.52 25.2,69.52 23.94,70.78 19.08,70.78 17.19,68.9 17.17,68.9 16.84,68.56 16.84,68.54 16.74,68.45 16.74,60.67 18.34,59.08 21.17,59.08 24.11,56.14 24.11,51.55 26.37,49.29 26.37,47.35 v1(25.8,46.78)
  SIG1 w0.082: 28.71,46.33 30.08,46.33 30.43,45.99 30.43,45.63 v3(30.68,45.38)
  SIG1 w0.114: v1(25.8,46.78) 28.26,46.78 28.71,46.33
  BOTTOM w0.127: R54.1 v1(25.8,46.78)
N16976299: length 30.1
  TOP w0.082: 30.43,49.38 30.43,48.13 U8.D14
  TOP w0.127: U3.C3 26.34,68.84 25.19,68.84 25.13,68.78 v1(22.94,68.78) ; 30.43,49.38 30.01,49.8 30.01,52.64 28.99,53.66 28.99,55.8 v1(23.14,61.65)
  SIG1 w0.114: v1(22.94,68.78) 22.94,63.81 22.67,63.54 22.67,62.12 v1(23.14,61.65)
  BOTTOM w0.127: TP7.1 23.78,61.65 v1(23.14,61.65)
N16999217: length 37.5
  TOP w0.082: 28.87,49.38 28.87,48.69 U8.A15
  TOP w0.127: 28.87,49.38 28.87,49.52 29.39,50.03 29.39,52.62 28.62,53.38 28.62,55.53 23.07,61.08 22.9,61.08 22.3,61.68 v1(22.3,64.42) ; v1(17.41,68.33) 17.58,68.33 19.66,70.4 23.55,70.4 24.77,69.18 U3.C1
  SIG1 w0.114: v1(22.3,64.42) 22.28,64.43 22.28,64.94 21.12,66.1 19.09,66.1 18.12,67.07 18.12,67.61 v1(17.41,68.33)
  BOTTOM w0.127: v1(17.41,68.33) 16.62,69.11 TP1.1
N17053935: length 47.4
  TOP w0.127: R22.1 29.71,32.82 v1(29.99,32.54) 29.99,31.83 31.17,30.64 31.17,30.3 31.77,29.71 31.77,25.74 35.16,22.34 41.03,22.34 41.93,23.25 v1(41.93,23.68) ; v1(52.78,26.54) 52.82,26.54 52.82,26.55 J2.27
  SIG1 w0.082: 41.83,28.25 40.21,28.25 39.73,27.78 39.73,26.96
  SIG1 w0.114: 41.83,28.25 45.27,24.81 47.84,24.81 48.49,24.16 49.62,24.16 50.61,25.15 50.61,25.32 51.35,26.06 52.31,26.06 v1(52.78,26.54) ; 39.73,26.96 39.73,26.7 41.93,24.51 v1(41.93,23.68)
  BOTTOM w0.127: v1(29.99,32.54) 30.29,32.84 30.29,33.06 30.55,33.33 R66.1 ; R89.2 v1(41.93,23.68) 42.85,23.68 TP30.1
N17053942: length 65
  TOP w0.127: J2.36 53.83,31.05 53.82,31.05 53.76,31.05 53.38,31.43 52.9,31.43 v1(52.51,31.82)
  BOTTOM w0.127: v3(29.18,44.38) 28.73,44.83 27.88,44.83 27.34,44.29 27.34,41.03 26.22,39.92 26.22,39.92 26.09,39.79 26.09,38.06 26.67,37.49 26.67,35.01 27.56,34.12 27.56,34.1 27.89,33.76 28.36,33.76 29.04,33.09 29.04,32.44 29.04,32.12 29.48,31.67 29.51,31.67 29.59,31.59 30.08,31.59 30.74,30.93 30.74,26.54 29.65,25.44 29.65,24.68 30.48,23.86 30.48,19.24 31.46,18.26 33.15,18.26 36.65,21.76 43.59,21.76 45.56,23.73 45.56,26.84 48.8,30.08 49.65,30.08 50.37,29.36 51.57,29.36 51.72,29.51 51.72,30.46 51.98,30.72 R108.1 51.98,31.28 v1(52.51,31.82)
